# Altium PCB RD.PcbDoc
Units mm, origin at the board's own origin, x right, y up, seen from the top; angles counter-clockwise.
Board outline 33.95 x 71.05 mm, 4 copper layers (Top Layer, Power, GND, Bottom Layer), stack 1.48 mm thick; 94 components, 74 nets, 310 pads, 72 vias.
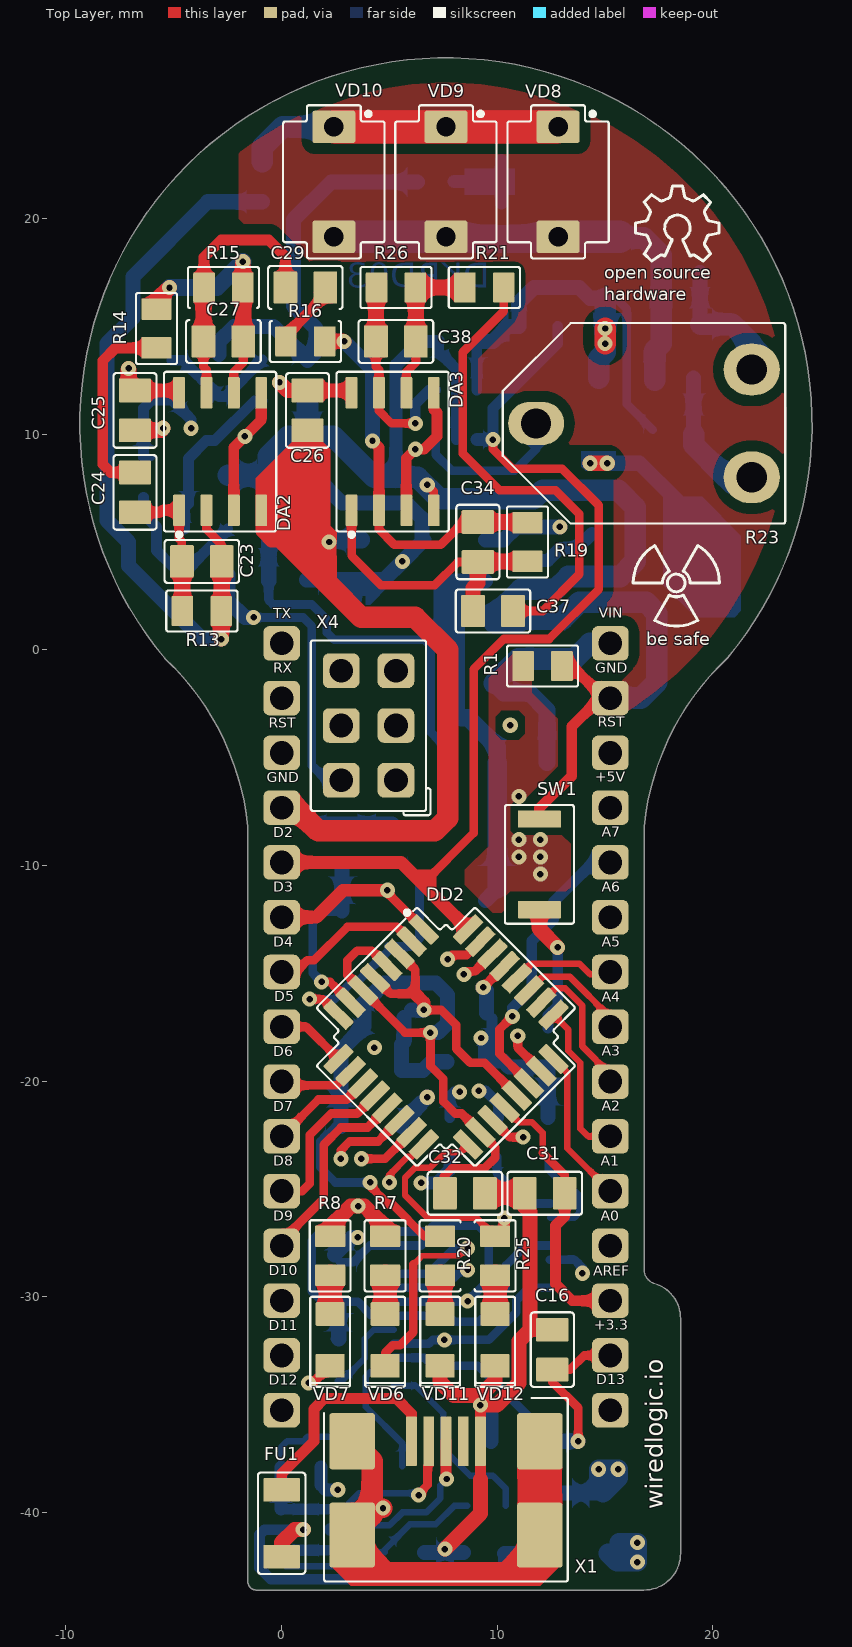
[diagram p0: Top Layer view]
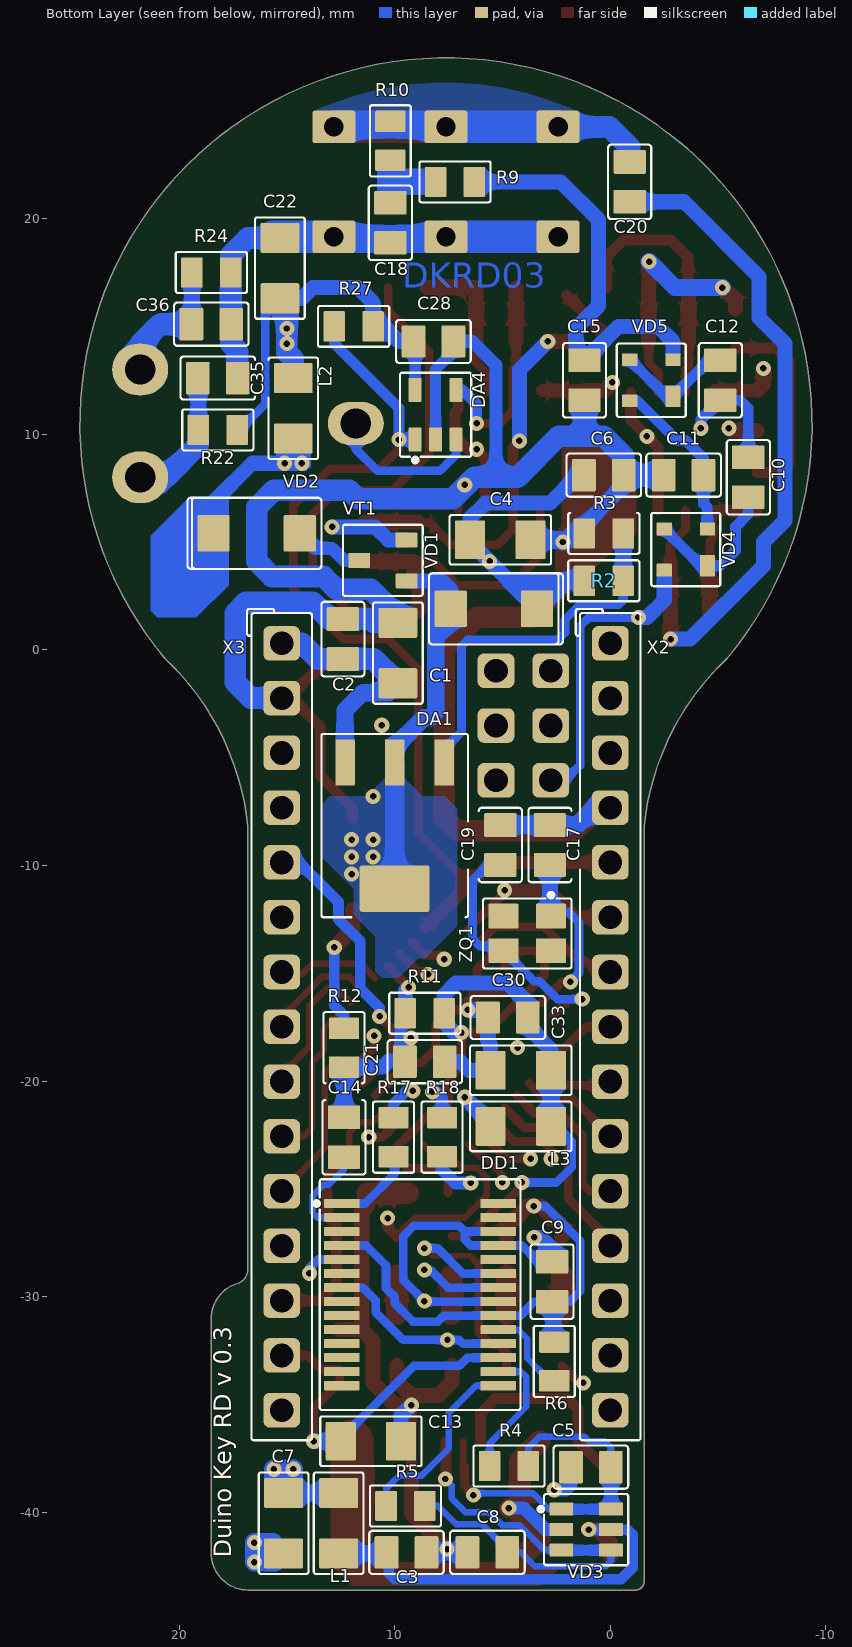
[diagram p1: Bottom Layer view, seen from below]
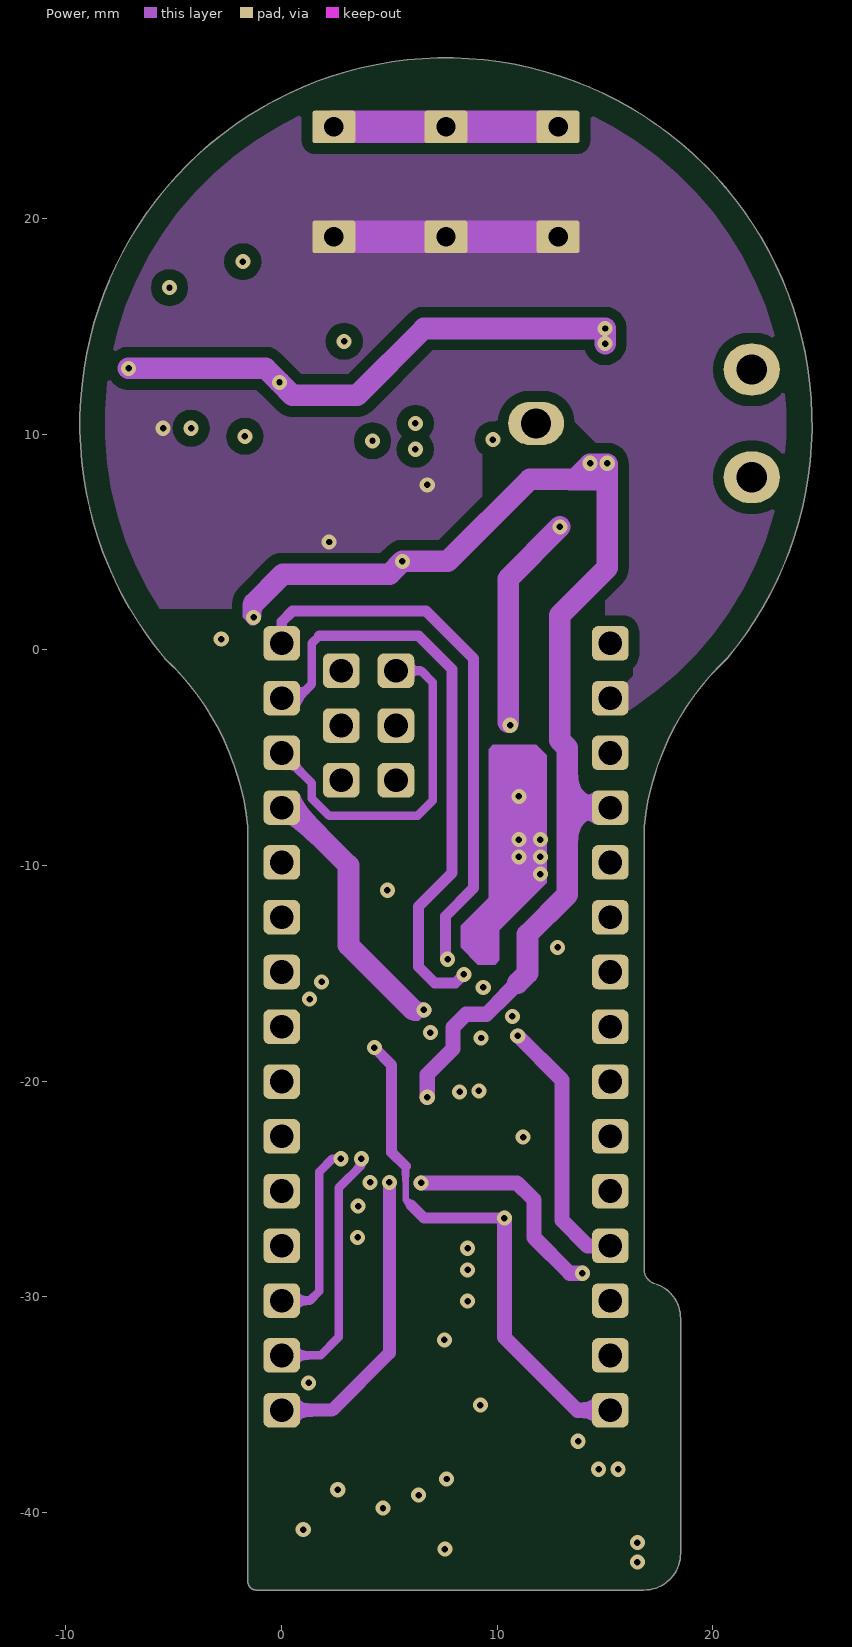
[diagram p2: Power]
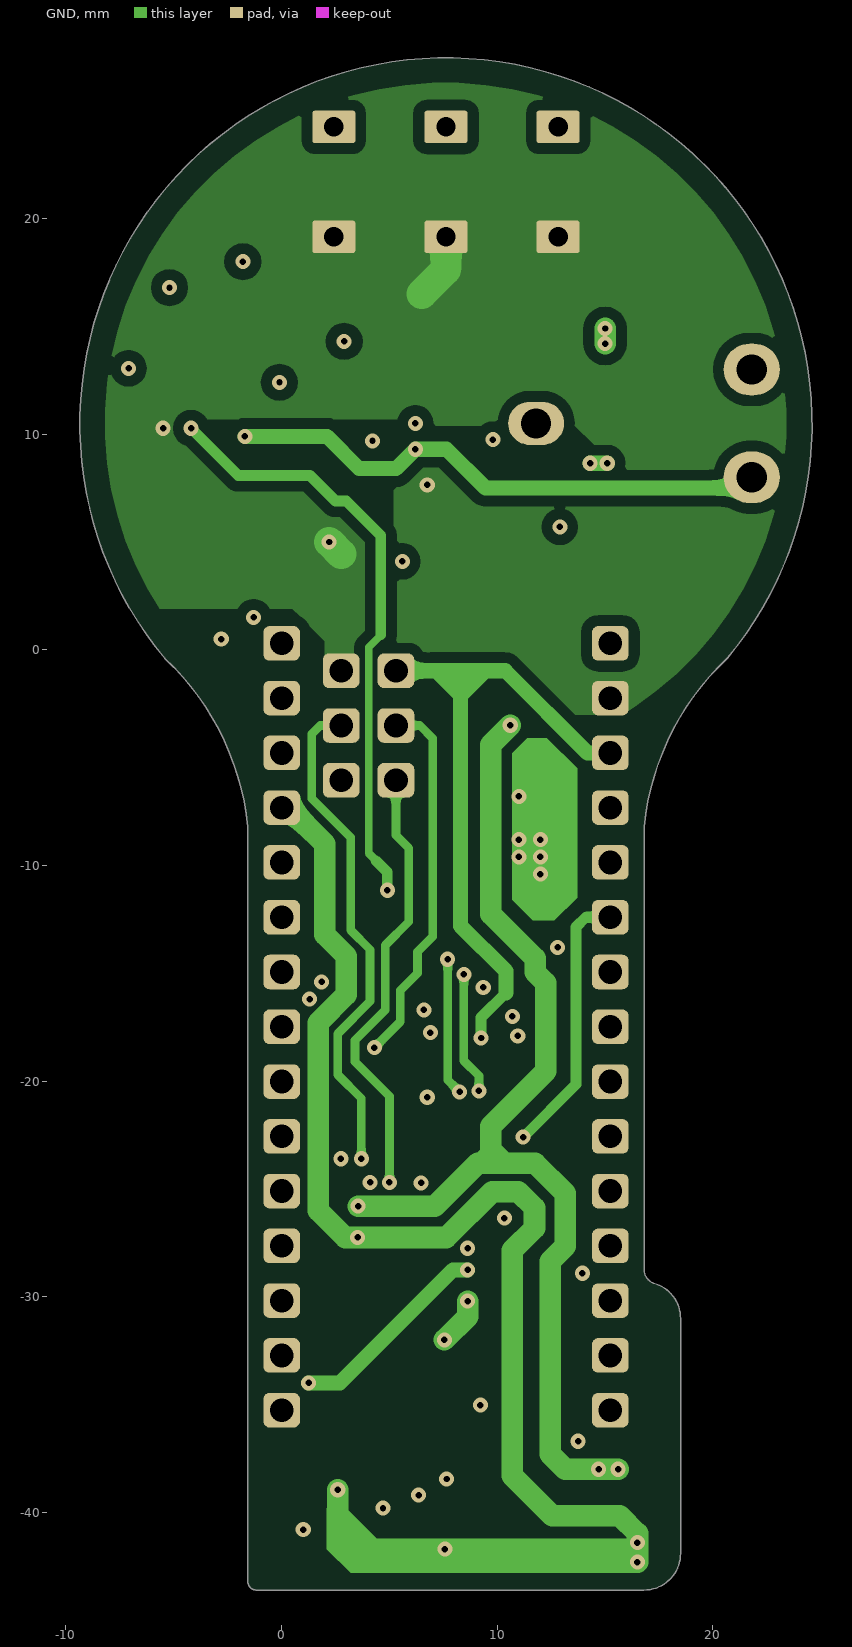
[diagram p3: GND]
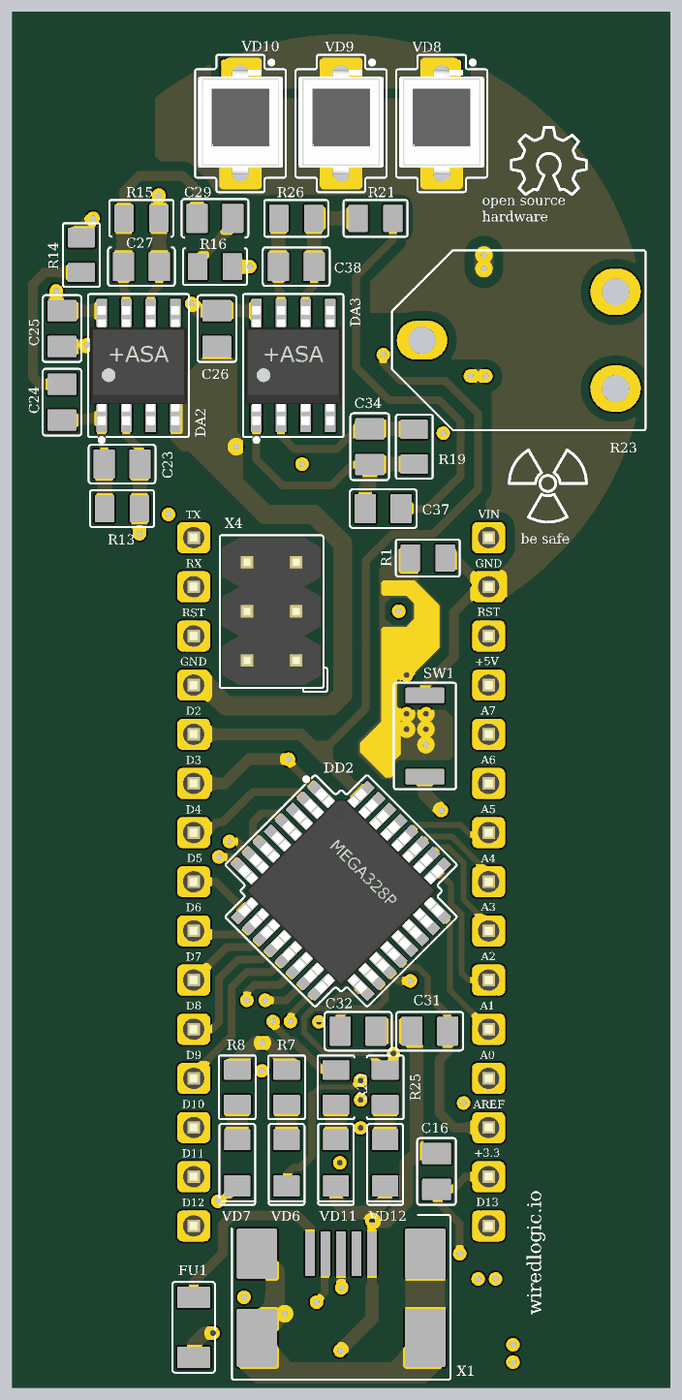
[diagram p4: 3D render of the assembled board from above, using the file's embedded part models]
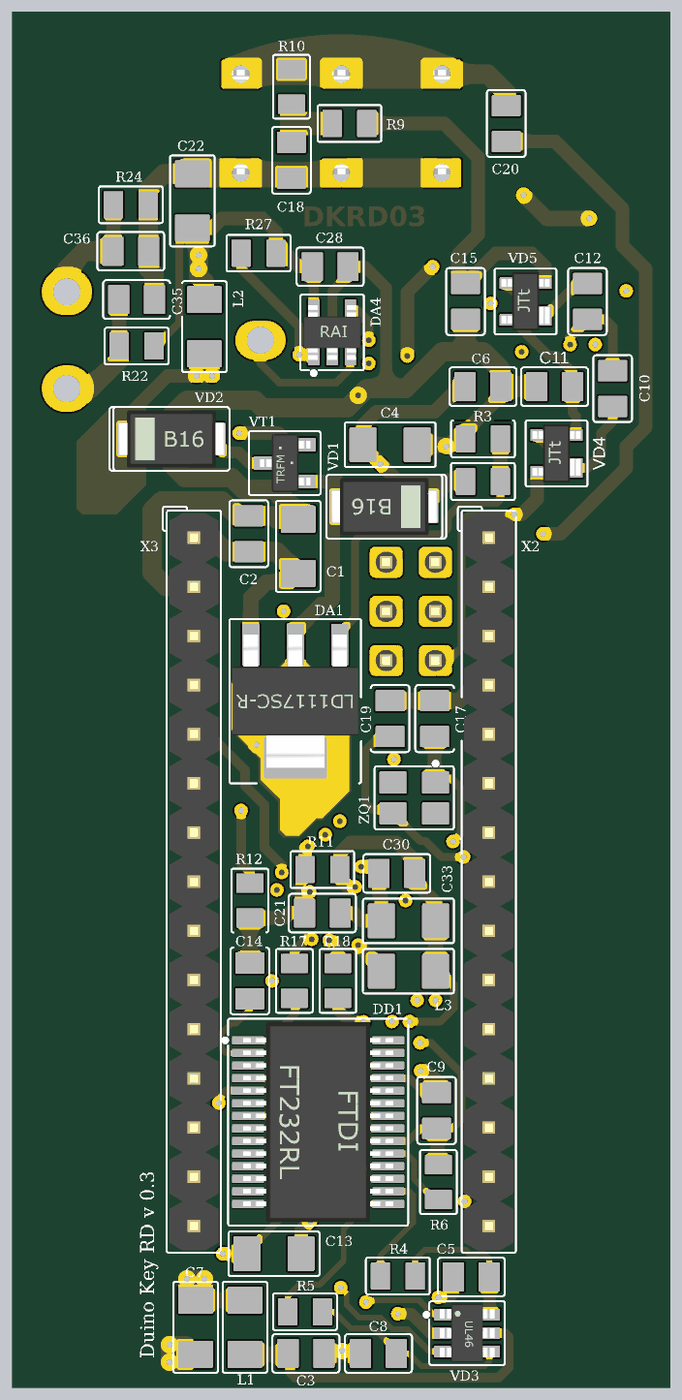
[diagram p5: 3D render of the assembled board from below, using the file's embedded part models]

## Layer stack, top to bottom
Top Solder: solder mask 0.01, Solder Resist, Dk 3.5
Top Layer: signal copper 0.035
Dielectric 1: core 0.25, FR-4, Dk 4.2
Power: signal copper 0.035
Dielectric 3: prepreg 0.84, Dk 4.2
GND: signal copper 0.035
Dielectric 2: core 0.25, Dk 4.2
Bottom Layer: signal copper 0.035
Bottom Solder: solder mask 0.01, Solder Resist, Dk 3.5

## Board outline
-1.57,-43.17 ccw(c-1.17,-43.2) -1.2,-43.6 16.8,-43.6 ccw(c16.8,-41.9) 18.5,-41.9 18.5,-31.008 18.499,-31.008 ccw(c16.8,-31.008) 17.24,-29.367 cw(c17.49,-28.731) 16.81,-28.8 16.81,-8.2 cw(c29.119,-9.419) 20.666,-0.389 ccw(c7.62,10.473) -5.41,-0.408 -5.426,-0.389 cw(c-13.879,-9.419) -1.57,-8.2

## Design rules (kind name [scope] priority, off if disabled: settings)
Clearance "Clearance Polygons" [All vs InNet('GND') and InPolygon] p1: gap=0.5 ignorepadtopadclearanceinfootprint=TRUE
Clearance [All] p2: gap=0.2 ignorepadtopadclearanceinfootprint=TRUE
Height [All] p1: minheight=0 maxheight=100 prefheight=12.7
MinimumSolderMaskSliver [All] p1: minsoldermaskwidth=0.1
PlaneClearance [All] p1: clearance=1
PolygonConnect [All] p1: connectstyle=Direct reliefconductorwidth=0.254 reliefentries=4 polygonreliefangle="90 Angle" airgapwidth=0.254
RoomDefinition RD [InComponentClass('RD')] p1: confinementstyle=ConfineIn formatcopy=TRUE lockcomponents=FALSE outline -66.3,-68.7 -15.5,-68.7 -15.5,-43.3 -66.3,-43.3
RoutingVias [All] p1: holewidth=0.711 width=1.27 viastyle="Through Hole" minholewidth=0.711 minwidth=1.27 maxholewidth=0.711 maxwidth=1.27
SilkToSilkClearance [All] p1: silktosilkclearance=0
SilkToSolderMaskClearance [IsPad] p1: minsilkscreentomaskgap=0.1 clearancetoexposedcopper=FALSE
SolderMaskExpansion [All] p1: expansion=0.1
Width [All] p1: maxlimit=400 minlimit=0.2 preferedwidth=0.2
25 further rules are at their usual default settings.

## Components (designator, comment, footprint, x,y, rotation, side; value= is the part's Value field where it differs from the comment)
C1 "" C1206-1.6mm 9.85,-0.15 r90 bottom value="10 u"
C2 "" C0805-0.94mm 12.4,0.5 r270 bottom value="0.1 u"
C3 "" C0805-0.94MM 9.45,-41.85 r180 bottom value="0.01 u"
C4 "" C1206-1.6mm 5.1,5.1 r180 bottom value="10 u"
C5 "" C0805-0.94mm 0.9,-37.9 r0 bottom value="47 p"
C6 "" C0805-0.94mm 0.3,8.1 r0 bottom value="0.1 u"
C7 "" C1206-1.6mm 15.15,-40.5 r270 bottom value="10 u"
C8 "" C0805-0.94mm 5.7,-41.85 r0 bottom value="47 p"
C9 "" C0805-0.94mm 2.7,-29.3 r270 bottom value="0.1 u"
C10 "" C0805-0.94mm -6.4,8 r270 bottom value="0.01 u"
C11 "" C0805-0.94mm -3.4,8.1 r180 bottom value="0.01 u"
C12 "" C0805-0.94mm -5.1,12.5 r90 bottom value="0.01 u"
C13 "" C1206-1.6mm 11.1,-36.7 r180 bottom value="10 u"
C14 "" C0805-0.94mm 12.35,-22.6 r270 bottom value="0.1 u"
C15 "" C0805-0.94mm 1.2,12.5 r90 bottom value="0.1 u"
C16 "" C0805-0.94MM 12.55,-32.45 r270 top value="0.1 u"
C17 "" C0805-0.94MM 2.8,-9.05 r90 bottom value="9 p"
C18 "" C0805-0.94mm 10.2,19.8 r270 bottom value="0.1 u"
C19 "" C0805-0.94MM 5.1,-9.05 r90 bottom value="9 p"
C20 "" C0805-0.94MM -0.9,21.7 r270 bottom value="0.01 u"
C21 "" C0805-0.94mm 8.6,-19.1 r0 bottom value="0.01 u"
C22 "" C1206-1.6mm 15.32,17.7 r90 bottom value="10 u"
C23 "C0805 4.7p" C0805-0.94mm -3.7,4.1 r180 top value="4.7 p"
C24 "" C0805-0.94mm -6.8,7.3 r90 top value="1000 p"
C25 "" C0805-0.94mm -6.8,11.1 r90 top value="0.1 u"
C26 "" C0805-0.94mm 1.2,11.1 r90 top value="0.1 u"
C27 "" C0805-0.94mm -2.7,14.3 r180 top value="100 p"
C28 "" C0805-0.94mm 8.2,14.3 r0 bottom value="0.1 u"
C29 "" C0805-0.94MM 1.1,16.8 r0 top value="0.01 u"
C30 "" C0805-0.94mm 4.75,-17.05 r180 bottom value="0.1 u"
C31 "" C0805-0.94mm 12.2,-25.2 r0 top value="0.1 u"
C32 "" C0805-0.94mm 8.5,-25.2 r180 top value="0.1 u"
C33 "" C1206-1.6mm 4.15,-19.5 r0 bottom value="10 u"
C34 "" C0805-0.94mm 9.1,5 r270 top value="100 p"
C35 "" C0805-0.94mm 18.2,12.6 r0 bottom value="0.1 u"
C36 "" C0805-0.94mm 18.5,15.1 r0 bottom value="0.1 u"
C37 "" C0805-0.94MM 9.8,1.8 r0 top value="0.01 u"
C38 "" C0805-0.94mm 5.3,14.3 r180 top value="100 p"
DA1 "" SOT-223-LD1117SC-R 10,-8.15 r270 bottom
DA2 "" SOIC8-MAX4477ASA -2.852,9.193 r90 top
DA3 "" SOIC8-MAX4477ASA 5.148,9.193 r90 top
DA4 "" SOT23-5-TLV3201AIDBV 8.1,10.9 r90 bottom
DD1 "" SSOP-28-FT232RL 8.82,-29.9 r180 bottom
DD2 "" TQFP32-ATMEGA328P-AU 7.62,-17.95 r315 top
FU1 "" FU-MF-NSMF050 0,-40.5 r270 top value="500 mA"
L1 "" L-ILHB1206 12.6,-40.5 r270 bottom
L2 "" L-ILHB1206 14.7,11.2 r270 bottom
L3 "" L-ILHB1206 4.15,-22.1 r180 bottom
R1 "" R0805-1-10k 12.1,-0.75 r180 top value="10 k"
R2 "" R0805-1-120 0.3,3.2 r180 bottom value=120
R3 "" R0805-1-360 0.3,5.4 r0 bottom value=360
R4 "" R0805-1-22 4.7,-37.85 r0 bottom value=22
R5 "" R0805-1-22 9.5,-39.7 r0 bottom value=22
R6 "" R0805-1-5.1k 2.6,-33 r270 bottom value="5.1 k"
R7 "" R0805-1-1k 4.8,-28.1 r90 top value="1 k"
R8 "" R0805-1-1k 2.25,-28.1 r90 top value="1 k"
R9 "" R0805-1-1M 7.2,21.7 r0 bottom value="1 M"
R10 "" R0805-1-10M 10.2,23.6 r90 bottom value="10 M"
R11 "" R0805-1-5.1k 8.6,-16.85 r0 bottom value="5.1 k"
R12 "" R0805-1-360 12.35,-18.45 r90 bottom value=360
R13 "" R0805-1-10M -3.7,1.8 r180 top value="10 M"
R14 "" R0805-1-1k -5.8,14.9 r90 top value="1 k"
R15 "" R0805-1-10K -2.7,16.8 r180 top value="10 k"
R16 "" R0805-1-1k 1.1,14.3 r0 top value="1 k"
R17 "" R0805-1-1k 10.05,-22.6 r270 bottom value="1 k"
R18 "" R0805-1-1k 7.8,-22.6 r270 bottom value="1 k"
R19 "" R0805-1-10K 11.4,5 r270 top value="10 k"
R20 "" R0805-1-1k 7.35,-28.1 r90 top value="1 k"
R21 "" R0805-1-1k 9.4,16.8 r180 top value="1 k"
R22 "" R0805-1-100k 18.2,10.2 r0 bottom value="100 k"
R23 "" "R TRIM 10K 3319" 16.8,10.5 r90 top value="10 k"
R24 "" R0805-1-150k 18.5,17.5 r180 bottom value="150 k"
R25 "" R0805-1-1k 9.9,-28.1 r90 top value="1 k"
R26 "" R0805-1-10K 5.3,16.8 r180 top value="10 k"
R27 "" R0805-1-10K 11.9,15 r180 bottom value="10 k"
SW1 "" "SW SKRKAEE010" 11.95,-9.95 r270 top
VD1 "" DO-214AC-B160 5.4,1.9 r0 bottom
VD2 "" DO-214AC-B160 16.4,5.4 r180 bottom
VD3 "" SOT23-6-USBLC6-4 1.12,-40.8 r180 bottom
VD4 "" SOT143B -3.5,4.65 r90 bottom
VD5 "" SOT143B -1.9,12.5 r90 bottom
VD6 "" "VD LED 0805" 4.8,-32 r90 top value=Red
VD7 "" "VD LED 0805" 2.25,-32 r90 top value=Green
VD8 "" "VD BPW34S" 12.82,21.7 r270 top
VD9 "" "VD BPW34S" 7.62,21.7 r270 top
VD10 "" "VD BPW34S" 2.42,21.7 r270 top
VD11 "" "VD LED 0805" 7.35,-32 r90 top value=Green
VD12 "" "VD LED 0805" 9.9,-32 r90 top value=Yellow
VT1 "" SOT23-NTR4171P 10.55,4.15 r0 bottom
X1 "" "X USB 1775051-1" 7.62,-39.3 r90 top
X2 "" "X PLS-15" 0,0.3 r270 bottom locked
X3 "" "X PLS-15" 15.24,0.3 r270 bottom
X4 "" "X PLD-6" 5.3,-0.97 r270 top
ZQ1 "" "ZQ TSX-3225 16.0000MF09Z-AC3" 3.85,-13.15 r0 bottom value="16 MHz"

## Footprints (in the part's own frame and the unit in brackets; to place one, negate y for a bottom-side part, rotate by r counter-clockwise, add the part's x,y. Pads: shape width x height; smd on the part's side, far side on the other; paste and mask are expansions set on the pad)
C0805-0.94mm [mm] "Chip Capacitor, IPC Medium Density"
  rrect10% 1.1x1.5 smd: 1(-0.925,0) 2(0.925,0)
  silkscreen extent -1.73,-1 1.73,1, body extent -1,-0.62 1,0.63, height 0.92
C0805-0.94MM [mm] "Chip Capacitor, IPC Medium Density"
  rrect10% 1.1x1.5 smd: 1(-0.925,0) 2(0.925,0)
  silkscreen extent -1.73,-1 1.73,1, body extent -1,-0.62 1,0.63, height 0.92
C1206-1.6mm [mm] "Chip Capacitor, IPC Medium Density"
  rrect10% 1.4x1.8 smd: 1(-1.4,0) 2(1.4,0)
  silkscreen extent -2.35,-1.15 2.35,1.15, body extent -1.6,-0.8 1.6,0.8, height 1.58
DO-214AC-B160 [mm] "Molded Diode, IPC Medium Density"
  rrect10% 1.5x1.7 smd: 1(-2,0) 2(2,0)
  silkscreen extent -3.2,-1.65 3,1.65, body extent -2.8,-1.48 2.8,1.47, height 2.91
FU-MF-NSMF050 [mm] "Chip Fuse"
  rrect10% 1.1x1.7 smd: 1(-1.55,0) 2(1.55,0)
  silkscreen extent -2.35,-1.1 2.35,1.1, body extent -1.6,-0.8 1.6,0.8, height 0.54
L-ILHB1206 [mm] "Chip Ferrite Bead, IPC Medium Density"
  rrect10% 1.4x1.8 smd: 1(-1.4,0) 2(1.4,0)
  silkscreen extent -2.35,-1.15 2.35,1.15, body extent -1.6,-0.8 1.6,0.8, height 1.08
R0805-1-1k [mm] "Yageo general purpose chip resistor, IPC Medium Density"
  rrect10% 1x1.4 smd: 1(-0.9,0) 2(0.9,0)
  silkscreen extent -1.65,-0.95 1.65,0.95, body extent -1,-0.62 1,0.63, height 0.49
R0805-1-1M [mm] "Yageo general purpose chip resistor, IPC Medium Density"
  rrect10% 1x1.4 smd: 1(-0.9,0) 2(0.9,0)
  silkscreen extent -1.65,-0.95 1.65,0.95, body extent -1,-0.62 1,0.63, height 0.49
R0805-1-5.1k [mm] "Yageo general purpose chip resistor, IPC Medium Density"
  rrect10% 1x1.4 smd: 1(-0.9,0) 2(0.9,0)
  silkscreen extent -1.65,-0.95 1.65,0.95, body extent -1,-0.62 1,0.63, height 0.49
R0805-1-10k [mm] "Yageo general purpose chip resistor, IPC Medium Density"
  rrect10% 1x1.4 smd: 1(-0.9,0) 2(0.9,0)
  silkscreen extent -1.65,-0.95 1.65,0.95, body extent -1,-0.62 1,0.63, height 0.49
R0805-1-10K [mm] "Yageo general purpose chip resistor, IPC Medium Density"
  rrect10% 1x1.4 smd: 1(-0.9,0) 2(0.9,0)
  silkscreen extent -1.65,-0.95 1.65,0.95, body extent -1,-0.62 1,0.63, height 0.49
R0805-1-10M [mm] "Yageo general purpose chip resistor, IPC Medium Density"
  rrect10% 1x1.4 smd: 1(-0.9,0) 2(0.9,0)
  silkscreen extent -1.65,-0.95 1.65,0.95, body extent -1,-0.62 1,0.63, height 0.49
R0805-1-22 [mm] "Yageo general purpose chip resistor, IPC Medium Density"
  rrect10% 1x1.4 smd: 1(-0.9,0) 2(0.9,0)
  silkscreen extent -1.65,-0.95 1.65,0.95, body extent -1,-0.62 1,0.63, height 0.49
R0805-1-100k [mm] "Yageo general purpose chip resistor, IPC Medium Density"
  rrect10% 1x1.4 smd: 1(-0.9,0) 2(0.9,0)
  silkscreen extent -1.65,-0.95 1.65,0.95, body extent -1,-0.62 1,0.63, height 0.49
R0805-1-120 [mm] "Yageo general purpose chip resistor, IPC Medium Density"
  rrect10% 1x1.4 smd: 1(-0.9,0) 2(0.9,0)
  silkscreen extent -1.65,-0.95 1.65,0.95, body extent -1,-0.62 1,0.63, height 0.49
R0805-1-150k [mm] "Yageo general purpose chip resistor, IPC Medium Density"
  rrect10% 1x1.4 smd: 1(-0.9,0) 2(0.9,0)
  silkscreen extent -1.65,-0.95 1.65,0.95, body extent -1,-0.62 1,0.63, height 0.49
R0805-1-360 [mm] "Yageo general purpose chip resistor, IPC Medium Density"
  rrect10% 1x1.4 smd: 1(-0.9,0) 2(0.9,0)
  silkscreen extent -1.65,-0.95 1.65,0.95, body extent -1,-0.62 1,0.63, height 0.49
"R TRIM 10K 3319" [mm]
  oval 2.4x2.6 hole 1.4: 1(-2.5,-5) 2(2.5,-5)
  oval 2x2.6 hole 1.4: 3(0,5)
  silkscreen extent -4.65,-6.55 4.65,6.55, body extent -4.5,-5.99 4.5,5.36, height 6.35
SOIC8-MAX4477ASA [mm] "IPC Medium Density"
  rrect15% 1.45x0.55 smd: 1(-2.725,1.905) 2(-2.725,0.635) 3(-2.725,-0.635) 4(-2.725,-1.905) 5(2.725,-1.905) 6(2.725,-0.635) 7(2.725,0.635) 8(2.725,1.905)
  silkscreen extent -3.95,-2.6 3.7,2.6, body extent -3.08,-2.5 3.08,2.5, height 1.99
SOT23-5-TLV3201AIDBV [mm] "IPC Medium Density"
  rrect10% 1.1x0.6 smd: 1(-1.15,0.95) 2(-1.15,0) 3(-1.15,-0.95) 4(1.15,-0.95) 5(1.15,0.95)
  silkscreen extent -2.2,-1.65 1.95,1.65, body extent -1.42,-1.5 1.42,1.5, height 1.18
SOT23-6-USBLC6-4 [mm] "IPC Medium Density"
  rrect10% 1.1x0.6 smd: 1(-1.15,0.95) 2(-1.15,0) 3(-1.15,-0.95) 4(1.15,-0.95) 5(1.15,0) 6(1.15,0.95)
  silkscreen extent -2.2,-1.65 1.95,1.65, body extent -1.42,-1.5 1.42,1.5, height 1.18
SOT23-NTR4171P [mm] "IPC Medium Density"
  rrect10% 1x0.7 smd: 1(-1.1,0.95) 2(-1.1,-0.95) 3(1.1,0)
  silkscreen extent -1.85,-1.65 1.85,1.65, body extent -1.33,-1.5 1.27,1.5, height 1.11
SOT143B [mm]
  rrect10% 1x0.7 smd: 1(-0.75,-1)
  rrect10% 0.6x0.7 smd: 2(0.95,-1) 3(0.95,1) 4(-0.95,1)
  silkscreen extent -1.7,-1.6 1.7,1.6, body extent -1.5,-1.25 1.5,1.25, height 1.15
SOT-223-LD1117SC-R [mm] "SOT223, IPC Medium Density"
  rrect10% 2.15x0.9 smd: 1(-2.925,2.3) 2(-2.925,0) 3(-2.925,-2.3)
  rrect10% 2.15x3.25 smd: 4(2.925,0)
  silkscreen extent -4.25,-3.4 4.25,3.4, body extent -3.45,-3.25 3.44,3.25, height 1.7
SSOP-28-FT232RL [mm] "IPC Medium Density"
  rrect15% 1.65x0.42 smd mask+0.05: 1(-3.625,4.225) 2(-3.625,3.575) 3(-3.625,2.925) 4(-3.625,2.275) 5(-3.625,1.625) 6(-3.625,0.975) 7(-3.625,0.325) 8(-3.625,-0.325) 9(-3.625,-0.975) 10(-3.625,-1.625) 11(-3.625,-2.275) 12(-3.625,-2.925) 13(-3.625,-3.575) 14(-3.625,-4.225) 15(3.625,-4.225) 16(3.625,-3.575) 17(3.625,-2.925) 18(3.625,-2.275) 19(3.625,-1.625) 20(3.625,-0.975) 21(3.625,-0.325) 22(3.625,0.325) 23(3.625,0.975) 24(3.625,1.625) 25(3.625,2.275) 26(3.625,2.925) 27(3.625,3.575) 28(3.625,4.225)
  silkscreen extent -4.9,-5.35 4.65,5.35, body extent -3.88,-5.16 3.88,5.17, height 2.14
"SW SKRKAEE010" [mm]
  rrect10% 0.8x2 smd: 1(-2.1,0) 2(2.1,0)
  silkscreen extent -2.75,-1.6 2.75,1.6, body extent -2.4,-1.45 2.4,1.45, height 1.93
TQFP32-ATMEGA328P-AU [mm] "IPC Medium Density"
  rrect15% 1.5x0.55 smd mask+0.05: 1(-4.25,2.8) 2(-4.25,2) 3(-4.25,1.2) 4(-4.25,0.4) 5(-4.25,-0.4) 6(-4.25,-1.2) 7(-4.25,-2) 8(-4.25,-2.8) 17(4.25,-2.8) 18(4.25,-2) 19(4.25,-1.2) 20(4.25,-0.4) 21(4.25,0.4) 22(4.25,1.2) 23(4.25,2) 24(4.25,2.8)
  rrect15% 0.55x1.5 smd mask+0.05: 9(-2.8,-4.25) 10(-2,-4.25) 11(-1.2,-4.25) 12(-0.4,-4.25) 13(0.4,-4.25) 14(1.2,-4.25) 15(2,-4.25) 16(2.8,-4.25) 25(2.8,4.25) 26(2,4.25) 27(1.2,4.25) 28(0.4,4.25) 29(-0.4,4.25) 30(-1.2,4.25) 31(-2,4.25) 32(-2.8,4.25)
  silkscreen extent -5.45,-5.2 5.2,5.2, body extent -4.5,-4.5 4.5,4.5, height 1.21
"VD BPW34S" [mm]
  rrect15% 1.5x2 hole 0.9: 1(-2.55,0) 2(2.55,0)
  silkscreen extent -3.55,-2.35 3.55,2.35, body extent -2.76,-2.2 2.64,2.2, height 1.73
"VD LED 0805" [mm] "IPC Medium Density"
  rrect10% 1.1x1.35 smd: 1(-1.2,0) 2(1.2,0)
  silkscreen extent -2.18,-0.93 2,0.92, body extent -1,-0.62 1,0.62, height 0.9
"X PLD-6" [mm]
  rrect35% 1.6x1.7 hole 1.1: 1(5.08,0) 2(5.08,-2.54) 3(2.54,0) 4(2.54,-2.54) 5(0,0) 6(0,-2.54)
  silkscreen extent -1.4,-3.95 6.7,1.6, body extent -1.27,-3.81 6.35,1.27, height 8.8
"X PLS-15" [mm]
  rrect35% 1.6x1.7 hole 1.1: 1(0,0) 2(2.54,0) 3(5.08,0) 4(7.62,0) 5(10.16,0) 6(12.7,0) 7(15.24,0) 8(17.78,0) 9(20.32,0) 10(22.86,0) 11(25.4,0) 12(27.94,0) 13(30.48,0) 14(33.02,0) 15(35.56,0)
  silkscreen extent -1.6,-1.6 36.95,1.4, body extent -1.27,-1.27 36.83,1.27, height 8.8
"X USB 1775051-1" [mm]
  rrect15% 2.3x0.5 smd: 1(2.6,1.6) 2(2.6,0.8) 3(2.6,0) 4(2.6,-0.8) 5(2.6,-1.6)
  rrect10% 3x2.1 smd: 6(-1.75,4.35) 6(-1.75,-4.35)
  rrect10% 2.6x2.1 smd: 6(2.6,4.35) 6(2.6,-4.35)
  silkscreen extent -3.9,-5.65 4.6,5.65, body extent -5.65,-4.95 3.35,4.95, height 4.1
"ZQ TSX-3225 16.0000MF09Z-AC3" [mm]
  rrect10% 1.4x1.15 smd: 1(-1.1,-0.8) 2(1.1,-0.8) 3(1.1,0.8) 4(-1.1,0.8)
  silkscreen extent -2.05,-1.87 2.05,1.63, body extent -1.6,-1.25 1.6,1.25, height 0.71
